# Altium PCB roach2.PcbDoc (part 36 of 39) (continued)
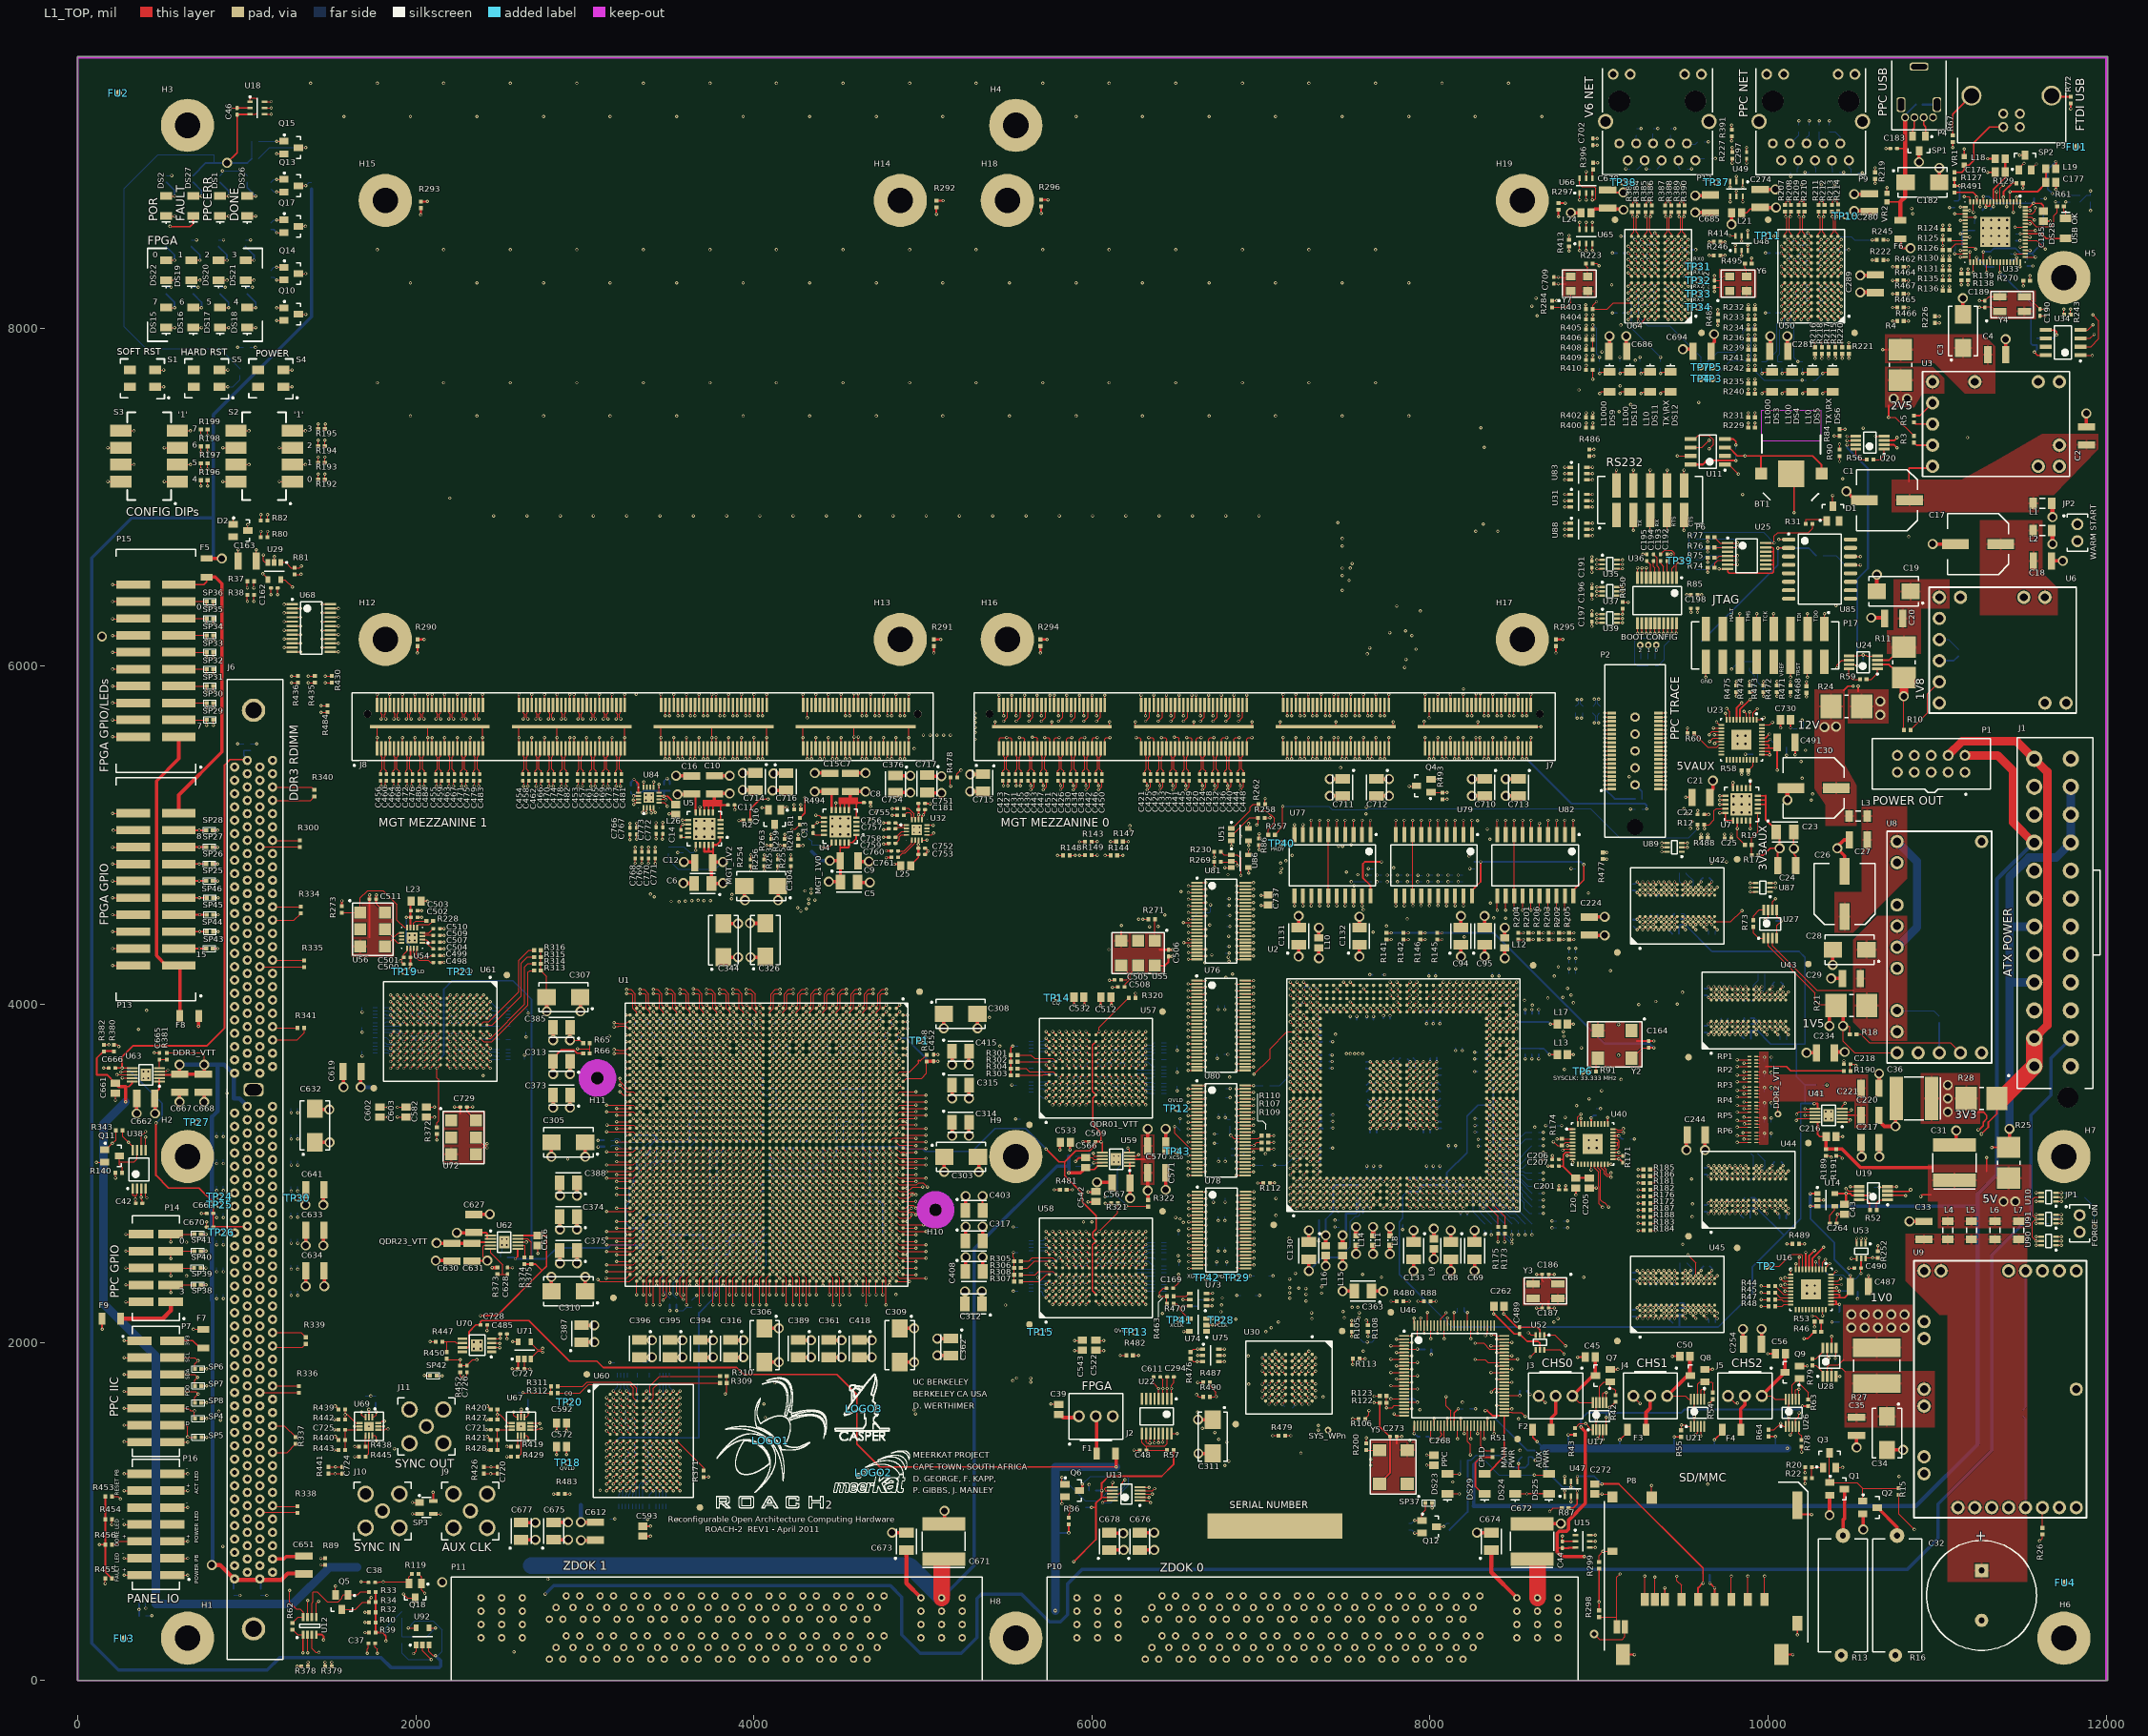
[diagram p0: L1_TOP view]
## Nets (pads, with @x,y where several pads share a name; then routed paths per layer and width w, separated by ;. In a path a pad name is that pad's centre, name@x,y a point inside that pad or via, vN(x,y) a via of type N, cw(c..) or ccw(c..) an arc to the next point about the centre after c; other vN are vias at no path point) (continued)
ZDOK0.DP_P11: P10.D3 U1.L34 | length 5179.6
  L1_TOP w5: U1.L34@4487.29,2675.63 v1(4506.98,2655.94)
  L5_S w3.8: v1(4506.98,2655.94) 4491.01,2639.97 4491.01,2571.11 4500.88,2561.23 4516.67,2561.23 4530.38,2547.53 4530.38,2317.14 4550.43,2297.08 4550.43,2275.47 4550.96,2274.94 4550.96,2245.16 4550.79,2244.99 4550.79,2092.99 4597.99,2045.79 4597.99,1867.99 4890.79,1575.19 4890.79,1475.19 5146.99,1219 5180.03,1185.95 5182.99,1182.99 5242.39,1182.99 ccw(c5242.39,1187.39) 5246.79,1187.39 5246.79,1239.6 cw(c5258.99,1239.6) 5271.19,1239.6 5271.19,1112.98 ccw(c5275.59,1112.98) 5279.99,1112.98 5279.99,1239.6 cw(c5292.19,1239.6) 5304.39,1239.6 5304.39,1112.98 ccw(c5308.79,1112.98) 5313.19,1112.98 5313.19,1239.6 cw(c5325.39,1239.6) 5337.59,1239.6 5337.59,1112.98 ccw(c5341.99,1112.98) 5346.39,1112.98 5346.39,1239.6 cw(c5358.59,1239.6) 5370.79,1239.6 5370.79,1112.98 ccw(c5375.19,1112.98) 5379.59,1112.98 5379.59,1239.6 cw(c5391.79,1239.6) 5403.99,1239.6 5403.99,1112.98 ccw(c5408.39,1112.98) 5412.79,1112.98 5412.79,1170.79 cw(c5424.99,1170.79) 5424.99,1182.99 5791.22,1182.99 5855.79,1118.42 5855.79,1092.99 6115.79,832.99 6404.02,832.99 6445.79,791.22 6445.79,661.22 6540.79,566.22 6540.79,455.9 6527.41,442.52 6527.41,442.41 6462.99,377.99 6462.99,352.99 6482.99,332.99 6485.98,332.99 P10.D3@6515.2,362.2
ZDOK0.DP_P12: P10.D5 U1.K33 | length 5190.6
  L1_TOP w5: U1.K33@4526.66,2715 v1(4546.35,2695.31)
  L3_S w3.8: v1(4546.35,2695.31) 4562.32,2679.34 4562.32,2342.14 4599.19,2305.26 4599.19,2216.76 4621.19,2194.76 4621.19,1869.76 5175.76,1315.19 5297.99,1315.19 5387.59,1225.6 5545.01,1068.17 ccw(c5553.64,1076.8) 5562.26,1068.17 5588.88,1094.79 cw(c5591.99,1091.68) 5595.11,1094.8 cw(c5591.99,1091.68) 5596.39,1091.68 cw(c5591.99,1091.68) 5595.11,1088.57 5526.53,1019.99 ccw(c5535.15,1011.37) 5526.53,1002.74 ccw(c5535.15,1011.37) 5543.78,1002.74 5612.35,1071.32 ; 5567.25,979.27 cw(c5558.63,987.89) 5550,979.27 cw(c5558.63,987.89) 5550,996.52 5618.58,1065.1 ccw(c5615.47,1068.21) 5619.87,1068.21 ccw(c5615.47,1068.21) 5618.58,1071.32 ccw(c5615.47,1068.21) 5612.36,1071.32 ; 5567.26,979.27 5635.83,1047.84 cw(c5638.94,1044.73) 5642.06,1047.84 cw(c5638.94,1044.73) 5643.34,1044.73 cw(c5638.94,1044.73) 5642.06,1041.62 5573.48,973.04 ccw(c5582.1,964.42) 5573.48,955.79 ccw(c5582.1,964.42) 5590.73,955.79 5659.3,1024.37 ; 5614.2,932.32 cw(c5605.58,940.94) 5596.95,932.32 cw(c5605.58,940.94) 5596.95,949.57 5665.53,1018.15 ccw(c5662.42,1021.26) 5666.82,1021.26 ccw(c5662.42,1021.26) 5665.53,1024.37 ccw(c5662.42,1021.26) 5659.31,1024.37 ; 5614.21,932.32 5682.78,1000.89 cw(c5685.89,997.78) 5689.01,1000.89 cw(c5685.89,997.78) 5690.29,997.78 cw(c5685.89,997.78) 5689.01,994.67 5620.43,926.09 ccw(c5629.05,917.47) 5620.43,908.84 ccw(c5629.05,917.47) 5637.68,908.84 5706.25,977.41 ; 5661.15,885.37 cw(c5652.53,893.99) 5643.9,885.37 cw(c5652.53,893.99) 5643.9,902.62 5712.48,971.2 ccw(c5709.37,974.31) 5713.77,974.31 ccw(c5709.37,974.31) 5712.48,977.42 ccw(c5709.37,974.31) 5706.26,977.42 ; 5661.16,885.37 5729.73,953.94 cw(c5732.84,950.83) 5735.96,953.94 cw(c5732.84,950.83) 5737.24,950.83 cw(c5732.84,950.83) 5735.96,947.72 5667.38,879.15 ccw(c5676,870.52) 5667.38,861.89 ccw(c5676,870.52) 5684.63,861.89 5714.85,892.11 cw(c5717.96,889) 5721.07,892.11 5790.19,822.99 6432.99,822.99 6652.99,602.99 6652.99,483.07 6715.2,420.87 P10.D5@6715.2,362.2
ZDOK0.DP_P13: P10.D7 U1.K39 | length 5229.4
  L1_TOP w5: U1.K39@4526.66,2478.78 v1(4546.35,2459.09)
  L12_S w3.8: v1(4546.35,2459.09) 4546.35,2441.78 4530.75,2426.18 4530.75,2373.89 4542.63,2362 4542.63,2272.24 4558.19,2256.68 4558.19,1861.76 4723.98,1695.98 4723.98,1532.01 5019.25,1236.73 ccw(c5029.86,1247.34) 5040.47,1236.73 5065.46,1261.72 cw(c5068.57,1258.61) 5072.97,1258.61 cw(c5068.57,1258.61) 5071.68,1255.49 5046.7,1230.51 ccw(c5057.31,1219.9) 5046.7,1209.29 ccw(c5057.31,1219.9) 5067.92,1209.29 5092.9,1234.27 cw(c5096.01,1231.16) 5100.41,1231.16 cw(c5096.01,1231.16) 5099.13,1228.05 5074.14,1203.06 ccw(c5084.75,1192.45) 5074.14,1181.84 ccw(c5084.75,1192.45) 5095.36,1181.84 5120.35,1206.83 cw(c5123.46,1203.72) 5127.86,1203.72 cw(c5123.46,1203.72) 5126.57,1200.6 5101.59,1175.62 ccw(c5112.2,1165.01) 5101.59,1154.4 ccw(c5112.2,1165.01) 5122.81,1154.4 5147.79,1179.38 cw(c5150.9,1176.27) 5155.3,1176.27 cw(c5150.9,1176.27) 5154.02,1173.16 5129.03,1148.17 ccw(c5139.64,1137.56) 5129.03,1126.95 ccw(c5139.64,1137.56) 5150.25,1126.95 5175.24,1151.94 cw(c5178.35,1148.83) 5182.75,1148.83 cw(c5178.35,1148.83) 5181.46,1145.71 5156.48,1120.73 ccw(c5167.09,1110.12) 5156.48,1099.51 ccw(c5167.09,1110.12) 5177.7,1099.51 5202.68,1124.49 cw(c5205.8,1121.38) 5210.2,1121.38 cw(c5205.8,1121.38) 5208.91,1118.27 5183.92,1093.28 ccw(c5194.53,1082.67) 5183.92,1072.06 ccw(c5194.53,1082.67) 5205.14,1072.06 5230.13,1097.05 cw(c5233.24,1093.93) 5237.64,1093.93 cw(c5233.24,1093.93) 5236.35,1090.82 5211.37,1065.84 ccw(c5221.98,1055.23) 5211.37,1044.62 ccw(c5221.98,1055.23) 5232.59,1044.62 5257.57,1069.6 cw(c5260.69,1066.49) 5265.09,1066.49 cw(c5260.69,1066.49) 5263.8,1063.38 5238.81,1038.39 ccw(c5249.42,1027.78) 5238.81,1017.17 ccw(c5249.42,1027.78) 5260.03,1017.17 5285.02,1042.16 cw(c5288.13,1039.04) 5292.53,1039.04 cw(c5288.13,1039.04) 5291.24,1035.93 5266.26,1010.95 ccw(c5276.87,1000.34) 5266.26,989.73 ccw(c5276.87,1000.34) 5287.48,989.73 5312.46,1014.71 cw(c5315.58,1011.6) 5319.98,1011.6 cw(c5315.58,1011.6) 5318.69,1008.49 5293.7,983.5 ccw(c5304.31,972.89) 5293.7,962.28 ccw(c5304.31,972.89) 5314.92,962.28 5339.91,987.27 cw(c5343.02,984.15) 5347.42,984.15 cw(c5343.02,984.15) 5346.13,981.04 5321.15,956.06 ccw(c5331.76,945.45) 5321.15,934.84 ccw(c5331.76,945.45) 5342.37,934.84 5367.35,959.82 cw(c5370.47,956.71) 5374.87,956.71 cw(c5370.47,956.71) 5373.58,953.6 5348.59,928.61 ccw(c5359.2,918) 5348.59,907.39 ccw(c5359.2,918) 5369.82,907.39 5394.8,932.38 cw(c5397.91,929.26) 5402.31,929.26 cw(c5397.91,929.26) 5401.02,926.15 5376.04,901.17 ccw(c5386.65,890.56) 5376.04,879.95 ccw(c5386.65,890.56) 5397.26,879.95 5422.24,904.93 cw(c5425.36,901.82) 5429.76,901.82 cw(c5425.36,901.82) 5428.47,898.71 5403.48,873.72 ccw(c5414.09,863.11) 5403.48,852.5 ccw(c5414.09,863.11) 5424.71,852.5 5449.69,877.49 cw(c5452.8,874.37) 5457.2,874.37 cw(c5452.8,874.37) 5455.91,871.26 5430.93,846.28 ccw(c5441.54,835.67) 5430.93,825.06 5512.99,742.99 5940.19,742.99 6015.19,667.99 6712.99,667.99 6752.99,627.99 6752.99,492.99 6785.79,460.19 6882.99,460.19 6917.99,425.19 6917.99,365 P10.D7@6915.2,362.2
ZDOK0.DP_P14: P10.D9 U1.H40 | length 5220.6
  L1_TOP w5: U1.H40@4605.4,2439.41 v1(4625.09,2419.72)
  L12_S w3.8: v1(4625.09,2419.72) 4609.49,2404.12 4609.49,2363 4623.99,2348.49 4623.99,2298.02 4608.99,2283.02 4608.99,2138.96 4629.19,2118.76 4629.19,1914.76 4768.76,1775.19 4830.76,1775.19 4919.48,1686.48 4919.48,1531.51 5111.48,1339.5 ccw(c5122.09,1350.12) 5132.7,1339.5 5139.69,1346.49 cw(c5142.8,1343.38) 5147.2,1343.38 cw(c5142.8,1343.38) 5145.91,1340.27 5107.7,1302.06 ccw(c5118.31,1291.45) 5128.92,1280.84 5167.13,1319.05 cw(c5170.24,1315.93) 5174.64,1315.93 cw(c5170.24,1315.93) 5173.36,1312.82 5135.15,1274.61 ccw(c5145.76,1264) 5156.37,1253.39 5194.58,1291.6 cw(c5197.69,1288.49) 5202.09,1288.49 cw(c5197.69,1288.49) 5200.8,1285.38 5162.59,1247.17 ccw(c5173.2,1236.56) 5183.81,1225.95 5222.02,1264.16 cw(c5225.13,1261.04) 5229.53,1261.04 cw(c5225.13,1261.04) 5228.25,1257.93 5190.04,1219.72 ccw(c5200.65,1209.11) 5211.26,1198.5 5249.47,1236.71 cw(c5252.58,1233.6) 5256.98,1233.6 cw(c5252.58,1233.6) 5255.69,1230.49 5217.48,1192.28 ccw(c5228.09,1181.67) 5238.7,1171.06 5276.91,1209.27 cw(c5280.02,1206.15) 5284.42,1206.15 cw(c5280.02,1206.15) 5283.14,1203.04 5244.93,1164.83 ccw(c5255.54,1154.22) 5266.15,1143.61 5304.36,1181.82 cw(c5307.47,1178.71) 5311.87,1178.71 cw(c5307.47,1178.71) 5310.58,1175.6 5272.37,1137.39 ccw(c5282.98,1126.78) 5293.59,1116.17 5331.8,1154.38 cw(c5334.91,1151.26) 5339.31,1151.26 cw(c5334.91,1151.26) 5338.03,1148.15 5299.82,1109.94 ccw(c5310.43,1099.33) 5321.04,1088.72 5359.25,1126.93 cw(c5362.36,1123.82) 5366.76,1123.82 cw(c5362.36,1123.82) 5365.47,1120.71 5327.26,1082.5 ccw(c5337.87,1071.89) 5348.48,1061.28 5386.69,1099.49 cw(c5389.81,1096.37) 5394.21,1096.37 cw(c5389.81,1096.37) 5392.92,1093.26 5354.71,1055.05 ccw(c5365.32,1044.44) 5375.93,1033.83 5414.14,1072.04 cw(c5417.25,1068.93) 5421.65,1068.93 cw(c5417.25,1068.93) 5420.36,1065.82 5413.38,1058.83 ccw(c5423.99,1048.22) 5413.38,1037.61 5657.99,792.99 5952.99,792.99 6030.79,715.19 6870.79,715.19 6957.99,627.99 6957.99,486.96 7002.48,442.48 7002.48,418.51 7030.28,390.71 7086.69,390.71 P10.D9@7115.2,362.2
ZDOK0.DP_P15: P10.D11 U1.G37 | length 5206.3
  L1_TOP w5: U1.G37@4644.77,2557.52 v1(4664.46,2537.83)
  L3_S w3.8: v1(4664.46,2537.83) 4676.15,2537.83 4688.23,2525.76 4688.23,2346.76 4707.91,2327.07 4707.91,2197.07 4796.99,2107.99 4796.99,1889.99 5213.99,1472.99 5409.02,1472.99 5813.62,1068.39 5832.68,1068.39 5833.08,1067.99 5996.22,1067.99 6048.42,1015.79 6471.22,1015.79 6606.22,880.79 6836.22,880.79 6886.73,830.29 ccw(c6889.85,833.39) 6892.96,830.28 6927.55,864.88 cw(c6936.18,856.25) 6944.81,864.88 cw(c6936.18,856.25) 6948.38,856.25 cw(c6936.18,856.25) 6944.81,847.63 6869.46,772.27 ccw(c6872.57,769.16) 6869.44,766.07 ccw(c6872.57,769.16) 6875.68,766.05 6951.03,841.41 cw(c6959.66,832.78) 6968.29,841.41 cw(c6959.66,832.78) 6971.86,832.78 cw(c6959.66,832.78) 6968.29,824.15 6892.94,748.8 ccw(c6896.04,745.69) 6892.93,742.58 ccw(c6896.04,745.69) 6899.15,742.58 6974.51,817.93 cw(c6983.13,809.3) 6991.76,817.93 cw(c6983.13,809.3) 6995.33,809.3 cw(c6983.13,809.3) 6991.76,800.68 6957.17,766.08 ccw(c6960.27,762.97) 6957.16,759.85 6973.51,743.51 6977.6,739.41 6983.47,733.54 6989.35,727.67 cw(c6980.72,719.04) 6992.92,719.04 cw(c6980.72,719.04) 6989.35,710.42 6960.33,681.4 ccw(c6963.44,678.29) 6960.33,675.18 ccw(c6963.44,678.29) 6966.55,675.18 7041.91,750.53 cw(c7050.53,741.91) 7059.16,750.53 cw(c7050.53,741.91) 7062.73,741.91 cw(c7050.53,741.91) 7059.16,733.28 6969.22,643.34 ccw(c6972.33,640.23) 6969.22,637.12 ccw(c6972.33,640.23) 6975.44,637.12 7065.38,727.06 cw(c7074.01,718.43) 7082.63,727.06 cw(c7074.01,718.43) 7086.21,718.43 cw(c7074.01,718.43) 7082.63,709.8 6992.7,619.87 ; 6992.7,619.87 ccw(c6995.81,616.76) 6992.7,613.64 ccw(c6995.81,616.76) 6998.92,613.64 7042.52,657.24 cw(c7051.14,648.62) 7059.77,657.24 7140.79,576.22 7140.79,511.22 7205.79,446.22 7205.79,428.42 7247.99,386.22 7247.99,357.99 7272.99,332.99 7285.98,332.99 P10.D11@7315.2,362.2
ZDOK0.DP_P16: P10.D13 U1.E42 | length 5161.6
  L1_TOP w5: v2(4723.51,2281.93) U1.E42@4723.51,2360.67
  L14_S w3.8: v2@4723.46,2283.46 4722.72,2282.72 4708.79,2268.79 4708.79,2256.19 4723.99,2240.99 4723.99,2157.99 4783.99,2097.99 4783.99,1706.99 5372.99,1117.99 5598.99,1117.99 ccw(c5598.99,1122.39) 5603.39,1122.39 5603.39,1180.7 cw(c5615.59,1180.7) 5627.79,1180.7 5627.79,1047.49 ccw(c5632.19,1047.49) 5636.59,1047.49 5636.59,1180.7 cw(c5648.79,1180.7) 5660.99,1180.7 5660.99,1047.49 ccw(c5665.39,1047.49) 5669.79,1047.49 5669.79,1180.7 cw(c5681.99,1180.7) 5694.19,1180.7 5694.19,1047.49 ccw(c5698.59,1047.49) 5702.99,1047.49 5702.99,1180.7 cw(c5715.19,1180.7) 5727.39,1180.7 5727.39,1122.39 ccw(c5731.79,1122.39) 5731.79,1117.99 5954.02,1117.99 6144.02,927.99 6429.02,927.99 6559.02,797.99 7284.02,797.99 7443.51,638.51 7457.99,624.02 7457.99,473.1 7427.41,442.52 7427.41,403.58 7487.99,342.99 7495.98,342.99 P10.D13@7515.2,362.2 ; v2@4723.51,2283.46 v2@4724.41,2283.46
ZDOK0.DP_P17: P10.D15 U1.C40 | length 5188.7
  L1_TOP w5: U1.C40@4802.25,2439.41 v1(4821.94,2419.72)
  L3_S w3.8: v1@4822.84,2421.26 4822.84,2419.72 4822.84,2419.15 4838.19,2403.79 4865.22,2403.79 4891.79,2377.22 4891.79,2279.22 5003.79,2167.22 5003.79,1855.19 5275.99,1582.99 5549.02,1582.99 5839.02,1292.99 5848.99,1292.99 ccw(c5848.99,1297.39) 5853.39,1297.39 5853.39,1303.99 cw(c5865.59,1303.99) 5877.79,1303.99 5877.79,1241.99 ccw(c5882.19,1241.99) 5886.59,1241.99 5886.59,1303.99 cw(c5898.79,1303.99) 5910.99,1303.99 5910.99,1241.99 ccw(c5915.39,1241.99) 5919.79,1241.99 5919.79,1303.99 cw(c5931.99,1303.99) 5944.19,1303.99 5944.19,1241.99 ccw(c5948.59,1241.99) 5952.99,1241.99 5952.99,1303.99 cw(c5965.19,1303.99) 5977.39,1303.99 5977.39,1241.99 ccw(c5981.79,1241.99) 5986.19,1241.99 5986.19,1303.99 cw(c5998.39,1303.99) 6010.59,1303.99 6010.59,1241.99 ccw(c6014.99,1241.99) 6019.39,1241.99 6019.39,1303.99 cw(c6031.59,1303.99) 6043.79,1303.99 6043.79,1241.99 ccw(c6048.19,1241.99) 6052.59,1241.99 6052.59,1303.99 cw(c6064.79,1303.99) 6076.99,1303.99 6076.99,1241.99 ccw(c6081.39,1241.99) 6085.79,1241.99 6085.79,1303.99 cw(c6097.99,1303.99) 6110.19,1303.99 6110.19,1241.99 ccw(c6114.59,1241.99) 6118.99,1241.99 6118.99,1280.79 cw(c6131.19,1280.79) 6131.19,1292.99 6454.02,1292.99 6674.02,1072.99 6946.22,1072.99 7170.79,848.42 7202.56,848.42 7602.99,447.99 7602.99,417.99 7682.99,337.99 7690.98,337.99 P10.D15@7715.2,362.2
ZDOK0.DP_P18: P10.D17 U1.E39 | length 5188.9
  L1_TOP w5: U1.E39@4723.51,2478.78 v1(4743.2,2459.09)
  L3_S w3.8: v1@4750.37,2460.63 4744.1,2460.63 4758.16,2474.69 4829.99,2474.69 4837.69,2466.99 4837.69,2449.62 4851.62,2435.69 4921.22,2435.69 4940.9,2416.01 5024.95,2416.01 5046.99,2393.96 5046.99,2361.19 5135.99,2272.19 5135.99,1850.96 5371.76,1615.19 5585.79,1615.19 5875.79,1325.19 6520.79,1325.19 6705.28,1140.71 6714.99,1140.71 ccw(c6714.99,1152.91) 6727.19,1152.91 6727.19,1167.8 cw(c6731.59,1167.8) 6735.99,1167.8 6735.99,1095.38 ccw(c6748.19,1095.38) 6760.39,1095.38 6760.39,1167.8 cw(c6764.79,1167.8) 6769.19,1167.8 6769.19,1095.38 ccw(c6781.39,1095.38) 6793.59,1095.38 6793.59,1167.8 cw(c6797.99,1167.8) 6802.39,1167.8 6802.39,1095.38 ccw(c6814.59,1095.38) 6826.79,1095.38 6826.79,1167.8 cw(c6831.19,1167.8) 6835.59,1167.8 6835.59,1095.38 ccw(c6847.79,1095.38) 6859.99,1095.38 6859.99,1167.8 cw(c6864.39,1167.8) 6868.79,1167.8 6868.79,1095.38 ccw(c6880.99,1095.38) 6893.19,1095.38 6893.19,1136.31 cw(c6897.59,1136.31) 6897.59,1140.71 6964.25,1140.71 6967.2,1137.75 7030.51,1074.44 ; 7030.52,1074.44 7549.76,555.19 7702.99,555.19 7757.99,500.19 7757.99,474.76 7850.8,381.96 7895.44,381.96 P10.D17@7915.2,362.2
ZDOK0.DP_P19: P10.D19 U1.B37 | length 5211.8
  L1_TOP w5: U1.B37@4841.62,2557.52 4861.31,2537.83 v2(5018.79,2537.83)
  L9_R w3.8: v2@5019.68,2539.37 5019.68,2537.83 5019.68,2533.87 5121.79,2431.76 5121.79,2150.99 5342.79,1929.99 5472.99,1929.99 5614.49,1788.49 5637.89,1788.49 v2(5637.99,1788.59)
  L12_S w3.8: v2(5637.99,1788.59) 5637.99,1787.25 5735.79,1689.45 5735.79,1490.19 6107.99,1117.99 6262.99,1117.99 6310.76,1165.76 6411.25,1165.76 6469.02,1107.99 6974.99,1107.99 ccw(c6974.99,1112.39) 6979.39,1112.39 6979.39,1149.29 cw(c6991.59,1149.29) 7003.79,1149.29 7003.79,1051.18 ccw(c7008.19,1051.18) 7012.59,1051.18 7012.59,1149.29 cw(c7024.79,1149.29) 7036.99,1149.29 7036.99,1051.18 ccw(c7041.39,1051.18) 7045.79,1051.18 7045.79,1149.29 cw(c7057.99,1149.29) 7070.19,1149.29 7070.19,1051.18 ccw(c7074.59,1051.18) 7078.99,1051.18 7078.99,1095.79 cw(c7091.19,1095.79) 7091.19,1107.99 7259.02,1107.99 7764.02,602.99 7896.22,602.99 7965.79,533.42 7965.79,478.42 7997.99,446.22 7997.99,422.99 8082.99,337.99 8090.98,337.99 P10.D19@8115.2,362.2
ZDOK0.DP_P20: P10.C1 U1.R28 | length 5193.9
  L1_TOP w5: U1.R28@4329.81,2911.85 v1(4349.5,2892.16)
  L3_S w3.8: v1(4349.5,2892.16) 4373.27,2868.39 4373.27,2341.72 4404.99,2309.99 4404.99,1739.99 4558.99,1585.99 4574.99,1585.99 5072.99,1087.99 5132.99,1087.99 5382.49,838.5 5470.16,750.83 cw(c5461.53,742.2) 5473.73,742.2 cw(c5461.53,742.2) 5470.16,733.57 5427.79,691.2 ccw(c5430.9,688.09) 5427.79,684.98 ccw(c5430.9,688.09) 5434.01,684.98 5507,757.97 cw(c5515.63,749.35) 5524.26,757.98 cw(c5515.63,749.35) 5527.83,749.35 cw(c5515.63,749.35) 5524.26,740.72 5499.51,715.97 ; 5499.5,715.96 5451.26,667.73 ccw(c5454.37,664.62) 5451.26,661.51 ccw(c5454.37,664.62) 5457.49,661.51 5530.47,734.5 cw(c5539.11,725.87) 5547.73,734.5 cw(c5539.11,725.87) 5551.3,725.87 cw(c5539.11,725.87) 5547.73,717.25 5522.98,692.5 5474.74,644.25 ccw(c5477.85,641.14) 5474.74,638.03 ccw(c5477.85,641.14) 5480.96,638.03 5553.95,711.02 cw(c5562.58,702.4) 5571.21,711.03 cw(c5562.58,702.4) 5574.78,702.4 cw(c5562.58,702.4) 5571.21,693.77 5546.46,669.02 ; 5545.16,573.83 ccw(c5548.27,570.72) 5545.16,567.61 ccw(c5548.27,570.72) 5551.39,567.61 5593.75,609.97 cw(c5602.38,601.35) 5611.01,609.98 5657.99,562.99 6154.02,562.99 6232.99,484.02 6232.99,307.99 6277.99,262.99 6414.21,262.99 P10.C1@6415,263.78 ; 5545.17,573.83 5618.15,646.82 ccw(c5609.53,655.45) 5621.73,655.45 ccw(c5609.53,655.45) 5618.16,664.08 ccw(c5609.53,655.45) 5600.9,664.08 5527.92,591.09 cw(c5524.8,594.19) 5521.69,591.08 cw(c5524.8,594.19) 5521.69,597.3 5594.68,670.29 ccw(c5586.06,678.92) 5598.26,678.92 ccw(c5586.06,678.92) 5594.68,687.55 ccw(c5586.06,678.92) 5577.43,687.55 5504.44,614.56 cw(c5501.32,617.67) 5498.21,614.56 cw(c5501.32,617.67) 5498.21,620.78 5546.45,669.01
ZDOK0.DP_P21: P10.C3 U1.M36 | length 5203.2
  L1_TOP w5: U1.M36@4447.92,2596.89 v1(4467.61,2577.2)
  L5_S w3.8: v1(4467.61,2577.2) 4467.61,2559.99 4491.01,2536.59 4491.01,2311.3 4511.06,2291.25 4511.06,2261.62 4511.59,2261.09 4511.59,2253.79 4531.27,2234.1 4531.27,2060.84 4561.22,2030.9 4561.22,1839.76 4845.79,1555.19 4845.79,1445.19 5207.99,1082.99 5438.99,1082.99 ccw(c5438.99,1087.39) 5443.39,1087.39 5443.39,1147.72 cw(c5455.59,1147.72) 5467.79,1147.72 5467.79,1010.46 ccw(c5472.19,1010.46) 5476.59,1010.46 5476.59,1147.72 cw(c5488.79,1147.72) 5500.99,1147.72 5500.99,1010.46 ccw(c5505.39,1010.46) 5509.79,1010.46 5509.79,1147.72 cw(c5521.99,1147.72) 5534.19,1147.72 5534.19,1010.46 ccw(c5538.59,1010.46) 5542.99,1010.46 5542.99,1147.72 cw(c5555.19,1147.72) 5567.39,1147.72 5567.39,1010.46 ccw(c5571.79,1010.46) 5576.19,1010.46 5576.19,1147.72 cw(c5588.39,1147.72) 5600.59,1147.72 5600.59,1087.39 ccw(c5604.99,1087.39) 5604.99,1082.99 5731.22,1082.99 5736.46,1077.75 5759.11,1055.11 6108.42,705.79 6376.22,705.79 6460.79,621.22 6460.79,480.79 6420.79,440.79 6420.79,430.79 6367.56,377.56 6367.56,338.42 6395.19,310.79 6505.19,310.79 6572.99,242.99 6594.21,242.99 P10.C3@6615,263.78
ZDOK0.DP_P22: P10.C5 U1.N29 | length 5200.5
  L1_TOP w5: U1.N29@4408.55,2872.48 v1(4428.24,2852.79)
  L3_S w3.8: v1(4428.24,2852.79) 4446.04,2834.99 4474.38,2834.99 4491.38,2817.99 4491.38,2413.26 4511.06,2393.58 4511.06,2275.47 4534.83,2251.69 4534.83,2187.83 4523.99,2176.99 4523.99,2091.99 4561.99,2053.99 4561.99,1796.99 5140.99,1217.99 5206.22,1217.99 5230.1,1194.11 5248.96,1175.26 ccw(c5252.07,1178.37) 5255.18,1175.26 5277.41,1197.49 cw(c5286.04,1188.86) 5294.66,1197.49 cw(c5286.04,1188.86) 5298.23,1188.86 cw(c5286.04,1188.86) 5294.66,1180.24 5266.57,1152.14 5225.97,1111.54 ; 5225.96,1111.54 ccw(c5229.07,1108.43) 5225.96,1105.31 ccw(c5229.07,1108.43) 5232.18,1105.31 5300.88,1174.01 cw(c5309.51,1165.39) 5318.14,1174.01 cw(c5309.51,1165.39) 5321.71,1165.39 cw(c5309.51,1165.39) 5318.14,1156.76 5290.04,1128.67 5249.44,1088.07 ; 5249.44,1088.06 ccw(c5252.55,1084.95) 5249.44,1081.84 ccw(c5252.55,1084.95) 5255.66,1081.84 5324.36,1150.54 cw(c5332.99,1141.91) 5341.61,1150.54 cw(c5332.99,1141.91) 5345.18,1141.91 cw(c5332.99,1141.91) 5341.61,1133.29 5313.52,1105.19 5272.92,1064.59 ; 5272.91,1064.59 ccw(c5276.02,1061.48) 5272.91,1058.36 ccw(c5276.02,1061.48) 5279.14,1058.36 5347.83,1127.06 cw(c5356.46,1118.44) 5365.09,1127.06 cw(c5356.46,1118.44) 5368.66,1118.44 cw(c5356.46,1118.44) 5365.09,1109.81 5336.99,1081.72 5296.39,1041.11 ccw(c5299.5,1038) 5296.39,1034.89 ccw(c5299.5,1038) 5302.61,1034.89 5371.31,1103.59 cw(c5379.94,1094.96) 5388.56,1103.59 cw(c5379.94,1094.96) 5392.14,1094.96 cw(c5379.94,1094.96) 5388.56,1086.34 5360.47,1058.24 ; 5360.46,1058.23 5319.86,1017.64 ccw(c5322.97,1014.53) 5319.86,1011.41 ccw(c5322.97,1014.53) 5326.09,1011.41 5360.82,1046.15 cw(c5369.44,1037.52) 5378.07,1046.15 5753.42,670.79 6216.22,670.79 6340.79,546.22 6340.79,495.19 6369.53,466.46 6369.6,466.46 6407.99,428.07 6407.99,417.99 6450.28,375.71 6450.28,336.74 6473.51,313.51 6717.48,313.51 6735.28,295.71 6735.28,280.71 6777.99,237.99 6789.21,237.99 P10.C5@6815,263.78
ZDOK0.DP_P23: P10.C7 U1.K37 | length 5194.3
  L1_TOP w5: U1.K37@4526.66,2557.52 v1(4546.35,2537.83)
  L12_S w3.8: v1(4546.35,2537.83) 4522.58,2514.06 4500.52,2514.06 4491.38,2504.92 4491.38,2413.26 4511.06,2393.58 4511.06,2275.47 4538.49,2248.03 4538.49,2083.59 4482.56,2027.67 4482.56,1891.42 4630.79,1743.19 4630.79,1580.19 5370.73,840.25 cw(c5360.12,829.64) 5375.13,829.64 cw(c5360.12,829.64) 5370.73,819.03 5327.88,776.19 ccw(c5331,773.07) 5334.11,769.96 5376.95,812.81 cw(c5387.56,802.2) 5398.17,812.81 cw(c5387.56,802.2) 5402.57,802.2 cw(c5387.56,802.2) 5398.18,791.59 5355.33,748.74 ccw(c5358.44,745.63) 5361.55,742.52 5404.4,785.36 cw(c5415.01,774.75) 5425.62,785.36 cw(c5415.01,774.75) 5430.02,774.75 cw(c5415.01,774.75) 5425.62,764.14 5382.77,721.3 ccw(c5385.89,718.18) 5389,715.07 5431.84,757.92 cw(c5442.45,747.31) 5453.07,757.92 5482.99,727.99 5654.89,727.99 cw(c5654.89,714.49) 5668.39,714.49 5668.39,658.95 ccw(c5672.79,658.95) 5677.19,658.95 5677.19,714.49 cw(c5690.69,714.49) 5704.19,714.49 5704.19,658.95 ccw(c5708.59,658.95) 5712.99,658.95 5712.99,714.49 cw(c5726.49,714.49) 5739.99,714.49 5739.99,658.95 ccw(c5744.39,658.95) 5748.79,658.95 5748.79,714.49 cw(c5762.29,714.49) 5775.79,714.49 5775.79,658.95 ccw(c5780.19,658.95) 5784.59,658.95 5784.59,714.49 cw(c5798.09,714.49) 5798.09,727.99 5939.02,727.99 6014.02,652.99 6599.02,652.99 6650.35,601.66 6650.35,465.46 6627.41,442.52 6627.41,398.58 6705.19,320.79 6913.42,320.79 6937.99,296.22 6937.99,277.99 6977.99,237.99 6989.21,237.99 P10.C7@7015,263.78
ZDOK0.DP_P24: P10.C9 U1.G34 | length 5168.6
  L1_TOP w5: U1.G34@4644.77,2675.63 v1(4664.46,2655.94)
  L5_S w3.8: v1(4664.46,2655.94) 4680.06,2640.34 4718.14,2640.34 4727.6,2630.89 4727.6,2373.89 4736.74,2364.75 4877.23,2364.75 4910.99,2330.99 4980.99,2330.99 5018.28,2293.71 5018.28,1882.28 5417.56,1482.99 5658.99,1482.99 ccw(c5658.99,1487.39) 5663.39,1487.39 5663.39,1548.14 cw(c5675.59,1548.14) 5687.79,1548.14 5687.79,1458.44 ccw(c5692.19,1458.44) 5696.59,1458.44 5696.59,1548.14 cw(c5708.79,1548.14) 5720.99,1548.14 5720.99,1458.44 ccw(c5725.39,1458.44) 5729.79,1458.44 5729.79,1548.14 cw(c5741.99,1548.14) 5754.19,1548.14 5754.19,1458.44 ccw(c5758.59,1458.44) 5762.99,1458.44 5762.99,1548.14 cw(c5775.19,1548.14) 5787.39,1548.14 5787.39,1458.44 ccw(c5791.79,1458.44) 5796.19,1458.44 5796.19,1548.14 cw(c5808.39,1548.14) 5820.59,1548.14 5820.59,1487.39 ccw(c5824.99,1487.39) 5824.99,1482.99 5891.22,1482.99 5896.46,1477.75 5899.11,1475.11 6058.42,1315.79 6381.22,1315.79 6961.22,735.79 7076.22,735.79 7145.79,666.22 7145.79,485.79 7117.99,457.99 7117.99,419.02 7157.99,379.02 7157.99,262.99 7182.99,237.99 7189.21,237.99 P10.C9@7215,263.78 ; v1@4665.36,2657.48 v1@4665.68,2657.16
ZDOK0.DP_P25: P10.C11 U1.F39 | length 5179.6
  L1_TOP w5: U1.F39@4684.14,2478.78 v1(4703.83,2459.09)
  L12_S w3.8: v1(4703.83,2459.09) 4688.23,2443.49 4688.23,2330.26 4707.91,2310.57 4707.91,2235.41 4688.94,2216.44 4688.94,2162.99 4793.99,2057.94 4793.99,1939.99 5100.79,1633.19 5100.79,1622.99 5118.89,1604.9 5234.83,1488.95 cw(c5226.2,1480.33) 5238.4,1480.33 cw(c5226.2,1480.33) 5234.83,1471.7 5201.2,1438.07 ccw(c5204.31,1434.96) 5201.2,1431.85 ccw(c5204.31,1434.96) 5207.42,1431.85 5296.63,1521.06 cw(c5305.26,1512.44) 5313.89,1521.06 cw(c5305.26,1512.44) 5317.46,1512.44 cw(c5305.26,1512.44) 5313.89,1503.81 5264.18,1454.1 5224.67,1414.59 ccw(c5227.78,1411.48) 5224.67,1408.37 ccw(c5227.78,1411.48) 5230.89,1408.37 5320.11,1497.58 cw(c5328.74,1488.96) 5337.37,1497.59 cw(c5328.74,1488.96) 5340.94,1488.96 cw(c5328.74,1488.96) 5337.37,1480.34 5287.65,1430.63 ; 5287.64,1430.62 5248.15,1391.12 ccw(c5251.26,1388.01) 5248.15,1384.9 ccw(c5251.26,1388.01) 5254.37,1384.9 5343.58,1474.11 cw(c5352.21,1465.49) 5360.84,1474.11 cw(c5352.21,1465.49) 5364.41,1465.49 cw(c5352.21,1465.49) 5360.84,1456.86 5311.13,1407.15 5271.62,1367.64 ccw(c5274.73,1364.53) 5271.62,1361.42 ccw(c5274.73,1364.53) 5277.84,1361.42 5311.47,1395.05 cw(c5320.1,1386.43) 5328.73,1395.05 5795.79,927.99 7159.02,927.99 7350.28,736.74 7350.28,505.28 7325.79,480.79 7325.79,413.42 7357.99,381.22 7357.99,257.99 7377.99,237.99 7389.21,237.99 P10.C11@7415,263.78
ZDOK0.DP_P26: P10.C13 U1.F37 | length 5194.9
  L1_TOP w5: U1.F37@4684.14,2557.52 v1(4703.83,2537.83)
  L3_S w3.8: v1(4703.83,2537.83) 4719.8,2521.86 4719.8,2346.16 4739.48,2326.47 4739.48,2188.97 4823.99,2104.46 4823.99,1902.76 5226.56,1500.19 5435.79,1500.19 5850.79,1085.19 6250.79,1085.19 6308.39,1027.59 6356.68,1027.59 6369.8,1040.71 6489.25,1040.71 6564.97,964.98 6599.52,930.44 6604.76,925.19 6694.39,925.19 ccw(c6694.39,937.39) 6706.59,937.39 6706.59,988.71 cw(c6710.99,988.71) 6715.39,988.71 6715.39,902.28 ccw(c6727.59,902.28) 6739.79,902.28 6739.79,988.71 cw(c6744.19,988.71) 6748.59,988.71 6748.59,902.28 ccw(c6760.79,902.28) 6772.99,902.28 6772.99,988.71 cw(c6777.39,988.71) 6781.79,988.71 6781.79,902.28 ccw(c6793.99,902.28) 6806.19,902.28 6806.19,988.71 cw(c6810.59,988.71) 6814.99,988.71 6814.99,902.28 ccw(c6827.19,902.28) 6839.39,902.28 6839.39,988.71 cw(c6843.79,988.71) 6848.19,988.71 6848.19,886.39 ccw(c6860.39,886.39) 6872.59,886.39 6872.59,920.79 cw(c6876.99,920.79) 6876.99,925.19 6897.99,925.19 7287.99,535.19 7307.99,535.19 7407.99,435.19 7407.99,404.76 7529.22,283.53 7595.25,283.53 P10.C13@7615,263.78
ZDOK0.DP_P27: P10.C15 U1.D42 | length 5123.2
  L1_TOP w5: v2(4762.88,2281.93) U1.D42@4762.88,2360.67
  L14_S w3.8: v2@4763.78,2283.46 4764.1,2283.15 4794.45,2252.79 4821.22,2252.79 4835.79,2238.22 4835.79,2178.99 4882.99,2131.79 4882.99,1847.99 4957.99,1772.99 5096.22,1772.99 5229.6,1639.61 5375.59,1493.63 cw(c5366.96,1485) 5379.16,1485 cw(c5366.96,1485) 5375.59,1476.37 5359.39,1460.17 ccw(c5362.49,1457.06) 5359.38,1453.95 ccw(c5362.49,1457.06) 5365.6,1453.95 5434.85,1523.19 cw(c5443.48,1514.57) 5452.1,1523.19 cw(c5443.48,1514.57) 5455.68,1514.57 cw(c5443.48,1514.57) 5452.1,1505.94 5404.94,1458.77 ; 5404.93,1458.76 5382.86,1436.69 ccw(c5385.97,1433.58) 5382.86,1430.47 ccw(c5385.97,1433.58) 5389.08,1430.47 5458.33,1499.72 cw(c5466.95,1491.09) 5475.58,1499.72 cw(c5466.95,1491.09) 5479.15,1491.09 cw(c5466.95,1491.09) 5475.58,1482.47 5406.33,1413.22 ccw(c5409.44,1410.11) 5406.33,1407 ccw(c5409.44,1410.11) 5412.55,1407 5481.8,1476.24 cw(c5490.43,1467.62) 5499.05,1476.24 cw(c5490.43,1467.62) 5502.63,1467.62 cw(c5490.43,1467.62) 5499.05,1458.99 5429.81,1389.74 ccw(c5432.92,1386.63) 5429.81,1383.52 ccw(c5432.92,1386.63) 5436.03,1383.52 5452.23,1399.73 cw(c5460.86,1391.1) 5469.49,1399.73 5533.42,1335.79 6006.22,1335.79 6188.51,1153.51 6293.51,1153.51 6315.28,1175.28 6436.74,1175.28 6584.02,1027.99 7326.22,1027.99 7597.99,756.22 ; 7597.11,757.11 7740.28,613.94 7740.28,470.28 7727.41,457.41 7727.41,414.61 7752.99,389.02 7752.99,267.99 7782.99,237.99 7789.21,237.99 P10.C15@7815,263.78